# KiCad board mx-unsaver-main.kicad_pcb (continued)
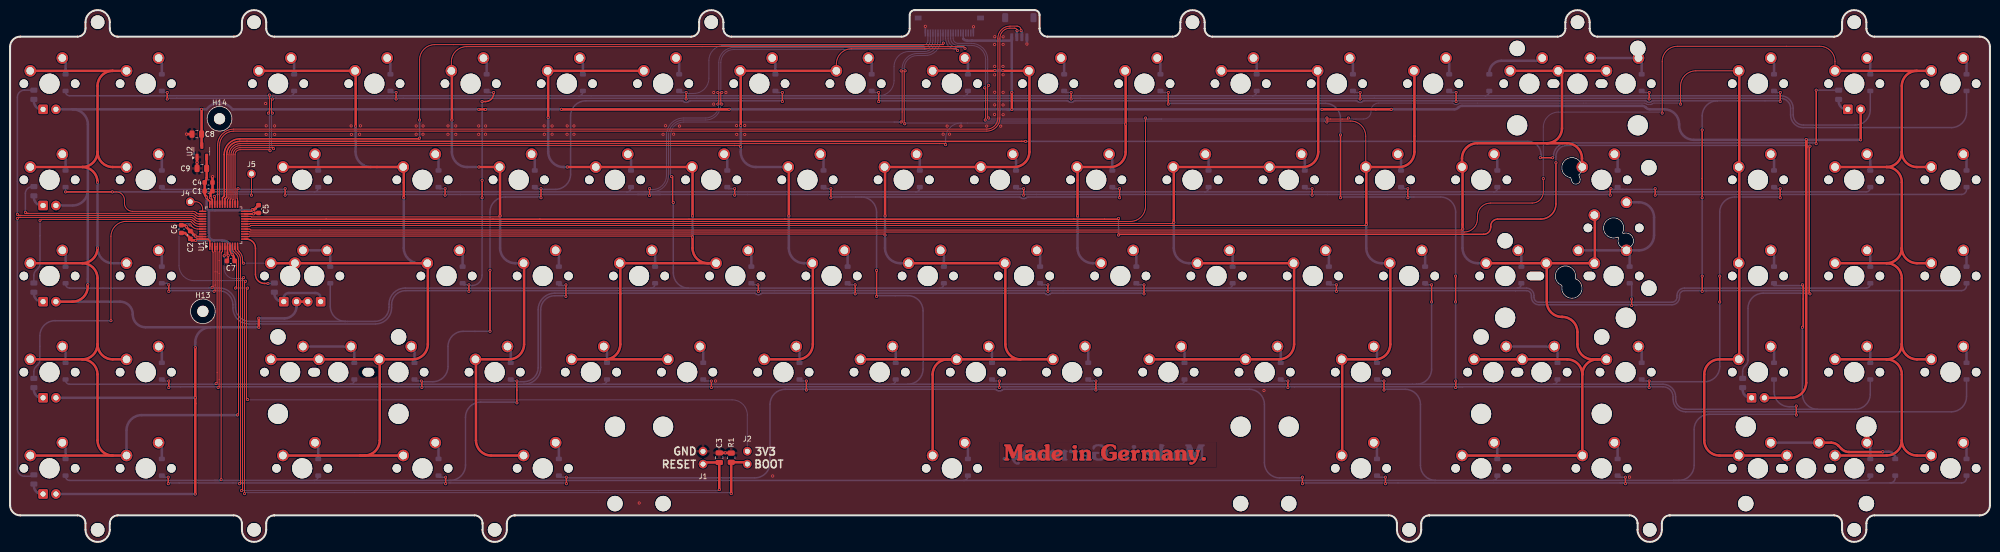
[diagram p0: board, top side]
## Routing (per net, layer and track width the routed paths; a pad name or vN(x,y) marks a point on that pad's centre or on a via; arc(x,y) is an arc through that point) (continued)
ROW2: length 468.5
  Top w0.2: U1.25 45.02,68 44.92,68.1 44.92,69.78 v1(45.12,69.98) ; v1(140.06,89.03) 140.26,89.03 140.26,86.73 v1(140.06,86.73)
  Top w0.3: v1(200.6,68.68) v1(200.6,69.98) ; v1(126.56,68.62) 126.56,69.98 v1(126.57,69.98) ; v1(257.7,68.68) v1(257.7,69.98) ; v1(54.44,69.98) v1(54.44,68.68) ; v1(316.83,69.98) 316.7,69.85 v1(316.7,68.68) ; v1(325.6,69.98) v1(325.6,68.68) ; v1(143.4,68.68) v1(143.4,69.98) ; v1(86.1,69.98) v1(86.1,68.68)
  Bottom w0.2: v1(140.06,89.03) 140.26,89.03 140.26,94.96 arc(141.14,97.08) 143.26,97.96 180.74,97.96 arc(181.73,98.37) 182.14,99.36 J6.3 ; v1(140.06,86.73) 140.26,86.73 140.26,86.58 arc(139.5,84.74) 137.66,83.98 133.31,83.98 arc(130.91,82.98) 129.91,80.58 129.91,72.59 arc(129.09,70.61) 127.11,69.79 126.57,69.79 v1(126.57,69.98)
  Bottom w0.3: 319.2,69.83 318.16,69.83 D104.1 317.86,69.98 ; 319.2,69.83 316.83,69.83 v1(316.83,69.98) ; 319.2,69.83 325.45,69.83 v1(325.6,69.98) ; D3.1 30.02,69.83 54.29,69.83 v1(54.44,69.98) ; v1(325.6,68.68) 325.61,68.68 325.76,68.83 386.21,68.83 arc(386.92,69.12) 387.21,69.83 D127.1 ; 124.23,68.83 86.16,68.83 86.1,68.78 v1(86.1,68.68) 85.95,68.83 54.45,68.83 54.44,68.83 v1(54.44,68.68) ; 124.23,68.83 126.94,68.83 ; 124.23,68.83 128.66,68.83 ; D33.1 142.24,69.98 v1(143.4,69.98) ; 128.66,68.83 126.56,68.83 v1(126.56,68.62) ; 128.66,68.83 143.25,68.83 v1(143.4,68.68) 143.4,68.78 143.46,68.83 200.45,68.83 v1(200.6,68.68) 200.75,68.83 257.55,68.83 v1(257.7,68.68) 257.71,68.68 257.86,68.83 316.55,68.83 v1(316.7,68.68) ; D13.1 85.09,69.98 v1(86.1,69.98) ; D53.1 199.39,69.98 v1(200.6,69.98) ; v1(257.7,69.98) 256.54,69.98 D76.1
ROW3: length 469.7
  Top w0.2: v1(20.24,69.33) 20.24,69.34 21.03,69.34 arc(22.16,68.87) 22.63,67.74 22.63,67.09 arc(23.1,65.96) 24.23,65.49 36.17,65.49 arc(36.56,65.41) 36.88,65.2 36.98,65.1 arc(37.1,65.02) 37.26,64.99 U1.38 ; v1(140.87,89.03) 140.66,89.03 140.66,86.73
  Top w0.3: 20.24,69.34 10.97,69.34 v1(10.97,69.33)
  Bottom w0.2: v1(140.87,89.03) 140.66,89.03 140.66,94.96 arc(141.42,96.79) 143.26,97.56 180.84,97.56 arc(182.12,98.08) 182.64,99.36 J6.4 ; 125.47,69.38 127.11,69.38 arc(129.37,70.32) 130.31,72.58 130.31,80.58 arc(131.19,82.7) 133.31,83.58 137.66,83.58 arc(139.78,84.45) 140.66,86.58 140.66,86.73 v1(140.86,86.73)
  Bottom w0.3: 179.24,69.33 236.4,69.33 ; 179.24,69.33 122.09,69.33 ; 179.24,69.33 arc(179.81,69.57) 180.04,70.13 D54.1 ; 236.4,69.33 293.6,69.33 ; 236.4,69.33 arc(236.97,69.57) 237.2,70.13 237.2,70.28 D77.1 ; v1(10.97,69.33) D4.1 ; 293.6,69.33 367.36,69.33 arc(367.93,69.57) 368.16,70.13 D128.1 ; 293.6,69.33 arc(294.17,69.57) 294.4,70.13 294.4,70.28 D105.1 ; D34.1 122.89,70.13 arc(122.66,69.57) 122.09,69.33 ; 60.18,69.33 122.09,69.33 ; 60.18,69.33 v1(20.24,69.33) ; 60.18,69.33 arc(60.75,69.57) 60.98,70.13 D14.1
ROW4: length 498.6
  Top w0.2: 176.55,83.18 176.55,93.31 v1(176.35,93.31) ; v1(39.97,50.43) 40.17,50.63 40.17,57.4 40.02,57.55 U1.2 40.02,57.8
  Top w0.3: v1(130.91,72.36) 131.12,72.36 131.12,67.24 v1(131.26,67.24)
  Bottom w0.2: 174.96,83.18 v1(176.35,83.18) ; 174.96,83.18 133.31,83.18 arc(131.47,82.41) 130.71,80.58 130.71,72.36 v1(130.91,72.36) ; 174.96,83.18 176.55,83.18 ; J6.6 183.64,99.36 arc(182.88,97.52) 181.04,96.76 179.55,96.76 arc(177.43,95.88) 176.55,93.76 176.55,93.31 v1(176.35,93.31)
  Bottom w0.3: D79.1 241.96,51.08 arc(241.72,50.52) 241.16,50.28 ; D112.1 299.11,51.08 arc(298.87,50.52) 298.31,50.28 ; 39.34,50.28 11.77,50.28 arc(11.21,50.52) 10.97,51.08 D5.1 ; 39.34,50.28 41.4,50.28 arc(43.66,49.34) 44.6,47.08 44.6,46.48 arc(45.42,44.5) 47.4,43.68 66.36,43.68 ; 39.34,50.28 39.82,50.28 v1(39.97,50.43) ; 298.31,50.28 300.1,50.28 arc(301.16,49.84) 301.6,48.78 301.6,48.48 arc(301.89,47.77) 302.6,47.48 328.9,47.48 arc(329.61,47.77) 329.9,48.48 329.9,48.78 arc(330.34,49.84) 331.4,50.28 367.36,50.28 arc(367.93,50.52) 368.16,51.08 D129.1 ; 298.31,50.28 184.01,50.28 ; 66.36,43.68 72.2,43.68 arc(74.18,44.5) 75,46.48 75,47.08 arc(75.94,49.34) 78.2,50.28 126.86,50.28 ; 66.36,43.68 arc(64.24,44.55) 63.36,46.68 D15.1 ; 184.01,50.28 134.26,50.28 ; 184.01,50.28 arc(184.57,50.52) 184.81,51.08 D55.1 ; D35.1 127.66,51.08 arc(127.42,50.52) 126.86,50.28 ; 126.86,50.28 134.26,50.28 ; 134.26,50.28 arc(132.14,51.16) 131.26,53.28 v1(131.26,67.24)
ROW5: length 673.3
  Top w0.2: 40.52,57.74 U1.3 40.52,57.62 40.57,57.57 40.57,49.83 v1(40.37,49.63)
  Top w0.3: v1(171.91,87.23) 171.9,87.23 v1(171.9,89.03) ; v1(95.7,89.03) 95.7,88.83 arc(95.23,87.7) 94.1,87.23 v1(93.4,87.23) ; v1(205.4,49.63) v1(205.4,50.93) ; v1(334.89,81.6) v1(334.89,68.18) ; v1(93.42,68.18) v1(93.42,71.61) ; v1(350.34,87.23) 350.34,89.01 v1(350.36,89.03) ; v1(31.4,50.93) v1(31.4,49.63) ; v1(320.94,46.83) 320.93,46.83 v1(320.93,48.13) ; v1(148,50.93) 148.1,50.83 v1(148.1,49.63) ; v1(90.8,49.63) v1(90.8,50.93) ; v1(262.5,49.63) v1(262.5,50.93) ; v1(286.19,87.23) v1(286.19,89.03) ; v1(334.9,49.63) v1(334.9,52.66)
  Bottom w0.3: v1(320.93,48.13) 320.94,48.13 320.94,51.23 D106.1 ; v1(350.34,87.23) 350.19,87.38 337.89,87.38 ; v1(205.4,50.93) 204.16,50.93 D56.1 ; 337.89,87.38 325.18,87.38 arc(324.98,87.34) 324.82,87.23 324.82,87.23 arc(324.65,87.12) 324.46,87.08 324.34,87.08 arc(324.15,87.12) 323.98,87.23 323.98,87.23 arc(323.81,87.34) 323.62,87.38 285.41,87.38 ; 337.89,87.38 arc(335.77,86.5) 334.89,84.38 v1(334.89,81.6) ; 335.79,49.78 386.21,49.78 arc(386.92,50.07) 387.21,50.78 D130.1 ; 335.79,49.78 335.05,49.78 v1(334.9,49.63) ; 335.79,49.78 331.4,49.78 arc(330.69,49.49) 330.4,48.78 330.4,48.48 arc(329.96,47.41) 328.9,46.98 321.93,46.98 ; v1(334.9,52.66) 334.89,52.66 v1(334.89,68.18) ; 285.41,87.38 267.98,87.38 arc(267.78,87.34) 267.62,87.23 267.62,87.23 arc(267.45,87.12) 267.26,87.08 267.14,87.08 arc(266.95,87.12) 266.78,87.23 266.78,87.23 arc(266.61,87.34) 266.42,87.38 210.78,87.38 arc(210.59,87.34) 210.43,87.23 210.42,87.23 arc(210.26,87.12) 210.07,87.08 209.94,87.08 arc(209.75,87.12) 209.58,87.23 209.58,87.23 arc(209.42,87.34) 209.23,87.38 171.91,87.38 v1(171.91,87.23) ; 285.41,87.38 286.04,87.38 v1(286.19,87.23) ; 321.93,46.98 302.6,46.98 arc(301.54,47.41) 301.1,48.48 301.1,48.78 arc(300.81,49.48) 300.1,49.78 297.95,49.78 297.95,49.78 262.71,49.78 262.56,49.63 v1(262.5,49.63) 262.35,49.78 205.61,49.78 205.46,49.63 v1(205.4,49.63) 205.25,49.78 148.25,49.78 v1(148.1,49.63) 147.95,49.78 90.81,49.78 90.8,49.78 v1(90.8,49.63) 90.65,49.78 78.3,49.78 arc(76.32,48.96) 75.5,46.98 75.5,46.38 arc(74.56,44.11) 72.3,43.18 47.3,43.18 arc(45.04,44.11) 44.1,46.38 44.1,46.98 arc(43.28,48.96) 41.3,49.78 31.51,49.78 31.4,49.68 v1(31.4,49.63) ; 321.93,46.98 320.94,46.98 v1(320.94,46.83) ; 348.81,89.03 D120.1 349.41,89.03 v1(350.36,89.03) ; D80.1 261.31,50.93 v1(262.5,50.93) ; D36.1 147.01,50.93 v1(148,50.93) ; v1(90.8,50.93) 90.8,50.79 ; v1(90.8,50.93) 90.95,50.79 91.41,50.79 arc(92.82,51.37) 93.41,52.79 93.41,68.18 v1(93.42,68.18) ; v1(90.8,50.93) 89.86,50.93 D16.1 ; v1(286.19,89.03) 285.12,89.03 D93.1 ; D46.1 170.52,89.03 v1(171.9,89.03) ; D6.1 31.1,51.23 v1(31.4,50.93) ; v1(93.4,87.23) 93.42,87.23 v1(93.42,71.61) ; v1(95.7,89.03) 94.32,89.03 D26.1
ROW6: length 721.7
  Top w0.2: U1.5 41.52,57.6 41.37,57.45 41.37,30.78 v1(41.17,30.58)
  Top w0.3: v1(338.37,52.66) 338.37,47.53 ; v1(152.84,89.03) 152.85,89.02 v1(152.85,87.23) ; v1(286.1,30.58) 286.12,30.58 v1(286.12,31.88) ; v1(276.65,68.18) 276.63,68.18 v1(276.63,69.98) ; v1(229.22,86.73) 229.22,89.03 v1(229.24,89.03) ; v1(94.98,41.72) v1(94.98,53.79) ; v1(350.33,69.98) 350.33,68.18 v1(350.34,68.18) ; v1(286.09,52.66) 286.09,47.53 v1(286.08,47.53) ; v1(195.8,30.58) v1(195.8,31.88) ; v1(31.4,31.88) v1(31.4,30.58) ; v1(105.07,69.98) 105.07,68.18 v1(105.08,68.18) ; v1(81.5,30.58) 81.5,31.78 v1(81.4,31.88) ; v1(324.4,30.58) v1(324.4,31.88) ; v1(263.31,68.18) v1(263.31,80.63) ; v1(252.9,30.58) v1(252.9,31.88) ; v1(138.8,30.58) v1(138.8,31.88)
  Bottom w0.3: v1(195.8,31.88) 194.63,31.88 D57.1 ; D121.1 349.11,69.98 v1(350.33,69.98) ; D37.1 137.48,31.88 v1(138.8,31.88) ; D81.1 251.78,31.88 v1(252.9,31.88) ; 286.1,47.53 286.1,31.88 v1(286.12,31.88) ; 287.47,30.73 253.05,30.73 v1(252.9,30.58) 252.75,30.73 195.95,30.73 v1(195.8,30.58) 195.65,30.73 138.86,30.73 138.8,30.68 v1(138.8,30.58) 138.65,30.73 81.65,30.73 v1(81.5,30.58) 81.35,30.73 31.46,30.73 31.4,30.68 v1(31.4,30.58) ; 287.47,30.73 286.1,30.73 ; 287.47,30.73 324.25,30.73 v1(324.4,30.58) 324.55,30.73 327.14,30.73 arc(328.55,30.15) 329.14,28.73 329.14,28.28 arc(329.87,26.51) 331.64,25.78 384.21,25.78 arc(386.33,26.65) 387.21,28.78 D131.1 ; 277.8,68.33 263.31,68.33 v1(263.31,68.18) ; 277.8,68.33 283.1,68.33 arc(285.22,67.45) 286.1,65.33 286.1,52.66 v1(286.09,52.66) ; 277.8,68.33 276.65,68.33 v1(276.65,68.18) ; v1(94.98,41.72) 89.67,41.72 arc(87.55,40.84) 86.67,38.72 86.67,34.74 arc(85.79,32.61) 83.67,31.74 81.4,31.74 v1(81.4,31.88) 80.33,31.88 D17.1 ; D27.1 103.84,69.98 v1(105.07,69.98) 105.07,69.84 107.93,69.84 arc(110.05,70.71) 110.93,72.84 110.93,84.38 arc(111.81,86.5) 113.93,87.38 132.98,87.38 arc(133.17,87.34) 133.34,87.23 133.34,87.23 arc(133.5,87.12) 133.7,87.08 133.9,87.08 arc(134.09,87.12) 134.26,87.23 134.26,87.23 arc(134.43,87.34) 134.62,87.38 152.7,87.38 v1(152.85,87.23) ; v1(263.31,80.63) 263.31,83.88 arc(262.43,86) 260.31,86.88 229.22,86.88 v1(229.22,86.73) ; v1(276.63,69.98) 275.29,69.98 D94.1 ; v1(31.4,31.88) 30.33,31.88 D7.1 ; v1(94.98,53.79) 94.98,65.33 arc(95.86,67.45) 97.98,68.33 104.93,68.33 v1(105.08,68.18) 105.08,68.33 ; D107.1 323.22,31.88 v1(324.4,31.88) 324.4,31.74 335.37,31.74 arc(337.49,32.61) 338.37,34.74 338.37,47.53 ; v1(229.24,89.03) 227.67,89.03 D67.1 ; D47.1 151.77,89.03 v1(152.84,89.03) ; v1(350.34,68.18) 350.34,68.33 341.37,68.33 arc(339.25,67.45) 338.37,65.33 v1(338.37,52.66)
  vias: v1(338.37,47.53)
ROW7: length 598.1
  Top w0.2: U1.4 40.97,58.52 40.97,31.58 v1(40.77,31.38)
  Top w0.3: v1(110.01,50.93) 110.01,48.63 v1(110,48.63) ; v1(219.59,68.18) v1(219.59,69.98) ; v1(354.73,50.93) 354.88,50.78 354.88,42.52 v1(354.73,42.52) ; v1(281.34,50.93) v1(281.34,47.53) ; v1(162.45,69.98) v1(162.45,68.18) ; v1(171.49,53.79) v1(171.49,48.63)
  Bottom w0.3: D82.1 232.43,32.03 arc(232.2,31.47) 231.63,31.23 ; D8.1 10.97,32.03 arc(11.21,31.47) 11.77,31.23 67.32,31.23 ; D48.1 160.99,69.98 v1(162.45,69.98) ; D108.1 306.25,32.03 arc(306.02,31.47) 305.45,31.23 ; v1(354.73,42.52) 354.73,29.28 arc(355.61,27.15) 357.73,26.28 ; 117.33,31.23 174.48,31.23 ; 117.33,31.23 101.71,31.23 ; 117.33,31.23 arc(117.9,31.47) 118.13,32.03 D38.1 ; 174.48,31.23 177.69,31.23 ; 174.48,31.23 arc(175.05,31.47) 175.28,32.03 D58.1 ; 305.45,31.23 327.14,31.23 arc(328.91,30.5) 329.64,28.73 329.64,28.28 arc(330.23,26.86) 331.64,26.28 357.73,26.28 ; 305.45,31.23 278.34,31.23 ; 349.11,50.93 D122.1 349.11,50.78 354.73,50.78 v1(354.73,50.93) ; v1(281.34,50.93) 280.06,50.93 D95.1 ; 177.69,31.23 231.63,31.23 ; 177.69,31.23 arc(179.81,32.11) 180.69,34.23 180.69,45.78 arc(179.81,47.9) 177.69,48.78 171.49,48.78 v1(171.49,48.63) ; 167.37,68.33 199.77,68.33 arc(199.96,68.29) 200.13,68.18 200.13,68.18 arc(200.29,68.07) 200.48,68.03 200.76,68.03 arc(200.95,68.07) 201.11,68.18 201.11,68.18 arc(201.28,68.29) 201.47,68.33 219.59,68.33 v1(219.59,68.18) ; 167.37,68.33 168.49,68.33 arc(170.61,67.45) 171.49,65.33 v1(171.49,53.79) ; 167.37,68.33 162.45,68.33 v1(162.45,68.18) ; 101.71,31.23 67.32,31.23 ; 101.71,31.23 arc(104.04,32.2) 105.01,34.53 105.01,45.98 arc(105.83,47.95) 107.81,48.78 110,48.78 v1(110,48.63) ; D18.1 68.12,32.03 arc(67.89,31.47) 67.32,31.23 ; v1(110.01,50.93) 110.01,50.79 108.61,50.79 D28.1 ; 231.63,31.23 278.34,31.23 ; D132.1 368.16,29.28 arc(367.28,27.15) 365.16,26.28 357.73,26.28 ; 278.34,31.23 arc(280.46,32.11) 281.34,34.23 v1(281.34,47.53) ; D68.1 218.14,69.98 v1(219.59,69.98)
ROW8: length 664
  Top w0.2: v1(41.77,12.33) 41.77,57.29 42.02,57.54 U1.6
  Top w0.3: v1(224.43,50.93) 224.42,50.92 v1(224.42,49.13) ; v1(100.3,31.88) 100.3,27.55 v1(100.31,27.55) ; v1(353.54,25.13) 353.52,25.13 v1(353.52,26.93) ; v1(167.26,49.13) 167.26,50.92 v1(167.25,50.93) ; v1(271.92,30.08) v1(271.92,31.88)
  Bottom w0.3: v1(100.31,27.55) 100.16,27.7 93.13,27.7 arc(91.01,26.82) 90.13,24.7 90.13,15.18 arc(89.25,13.06) 87.13,12.18 60.18,12.18 ; D123.1 349.11,29.78 arc(349.99,27.65) 352.11,26.78 353.52,26.78 v1(353.52,26.93) ; D69.1 223.21,50.93 v1(224.43,50.93) ; 166.82,49.28 148.93,49.28 arc(148.74,49.24) 148.57,49.13 148.57,49.13 arc(148.4,49.02) 148.21,48.98 148.04,48.98 arc(147.85,49.02) 147.68,49.13 147.68,49.13 arc(147.52,49.24) 147.33,49.28 107.81,49.28 arc(105.48,48.31) 104.51,45.98 104.51,34.54 arc(103.69,32.56) 101.71,31.74 100.3,31.74 v1(100.3,31.88) 99.08,31.88 D29.1 ; 166.82,49.28 204.62,49.28 arc(204.81,49.24) 204.98,49.13 204.98,49.13 arc(205.15,49.02) 205.34,48.98 205.49,48.98 arc(205.68,49.02) 205.84,49.13 205.85,49.13 arc(206.01,49.24) 206.2,49.28 224.27,49.28 v1(224.42,49.13) ; 166.82,49.28 167.11,49.28 v1(167.26,49.13) ; v1(271.92,31.88) 270.53,31.88 D96.1 ; v1(353.54,25.13) 353.54,25.28 336.3,25.28 arc(334.18,24.4) 333.3,22.28 333.3,15.18 arc(332.42,13.06) 330.3,12.18 329.23,12.18 ; v1(271.92,30.08) 271.92,30.23 276.13,30.23 arc(278.25,29.35) 279.13,27.23 279.13,15.18 arc(280.01,13.06) 282.13,12.18 ; 87,12.18 188.77,12.18 ; 188.77,12.18 282.13,12.18 ; 188.77,12.18 arc(189.33,12.42) 189.57,12.98 D59.1 ; 294.4,13.13 D109.1 294.34,12.98 arc(294.11,12.42) 293.54,12.18 ; 60.18,12.18 40.51,12.18 ; 60.18,12.18 arc(60.75,12.42) 60.98,12.98 D19.1 ; D49.1 166.06,50.93 v1(167.25,50.93) ; D133.1 368.16,12.98 arc(367.93,12.42) 367.36,12.18 329.23,12.18 ; 40.51,12.18 41.59,12.18 ; 40.51,12.18 11.77,12.18 arc(11.21,12.42) 10.97,12.98 D9.1 ; 329.23,12.18 293.54,12.18 ; 293.54,12.18 282.13,12.18
ROW9: length 463.4
  Top w0.2: U1.11 44.52,58.05 arc(44.57,57.82) 44.7,57.63 45.08,57.24 arc(45.47,56.66) 45.6,55.97 45.6,11.96 ; 45.6,11.96 45.6,11.53 45.6,11.53 ; 45.6,11.96 45.6,11.73 v1(45.4,11.53)
  Top w0.3: v1(214.9,31.88) v1(214.9,30.08) ; v1(86.2,11.53) v1(86.2,12.83) ; v1(31.3,12.83) v1(31.3,11.53) ; v1(110.1,11.53) v1(110.1,12.83) ; v1(255.78,12.83) 255.78,11.53 v1(255.79,11.53) ; v1(157.6,30.08) v1(157.6,31.88) ; v1(272.2,11.53) v1(272.2,12.83) ; v1(319.7,11.53) v1(319.7,12.83)
  Bottom w0.3: 372.1,11.68 386.21,11.68 arc(386.92,11.97) 387.21,12.68 D134.1 ; 372.1,11.68 319.1,11.68 ; 372.1,11.68 arc(372.81,11.97) 373.1,12.68 D124.1 ; 214,30.23 245.25,30.23 arc(247.37,29.35) 248.25,27.23 248.25,15.69 arc(249.13,13.56) 251.25,12.69 255.78,12.69 v1(255.78,12.83) ; 214,30.23 196.71,30.23 arc(196.52,30.19) 196.35,30.08 196.35,30.08 arc(196.18,29.97) 195.99,29.93 195.61,29.93 arc(195.42,29.97) 195.25,30.08 195.25,30.08 arc(195.08,30.19) 194.89,30.23 156.9,30.23 ; 214,30.23 214.75,30.23 v1(214.9,30.08) ; 156.9,30.23 157.45,30.23 v1(157.6,30.08) ; 156.9,30.23 153.4,30.23 arc(151.28,29.35) 150.4,27.23 150.4,15.68 arc(149.52,13.56) 147.4,12.68 110.25,12.68 v1(110.1,12.83) 108.91,12.83 D30.1 ; D97.1 270.83,12.83 v1(272.2,12.83) ; v1(31.3,11.53) 31.3,11.58 31.41,11.68 46.22,11.68 ; D20.1 85.09,12.83 v1(86.2,12.83) ; 46.22,11.68 86.05,11.68 v1(86.2,11.53) 86.35,11.68 109.95,11.68 v1(110.1,11.53) 110.1,11.68 110.11,11.68 ; 46.22,11.68 45.6,11.68 ; D60.1 213.68,31.88 v1(214.9,31.88) ; v1(31.3,12.83) 30.33,12.83 D10.1 ; 319.1,11.68 272.35,11.68 v1(272.2,11.53) 272.05,11.68 255.79,11.68 v1(255.79,11.53) ; 319.1,11.68 319.55,11.68 v1(319.7,11.53) ; v1(319.7,12.83) 318.46,12.83 D110.1 ; D50.1 156.53,31.88 v1(157.6,31.88)
SWC: length 4.7
  Top w0.2: J4.1 36.71,67.39 arc(37.7,66.97) 38.11,65.99 U1.37 ; U1.37 37.5,65.49 ; U1.37 37.78,65.49
SWD: length 13.9
  Top w0.2: v1(40.42,68.45) 40.52,68.35 40.52,67.87 ; 40.42,68.3 40.52,68.2 40.52,67.87 ; 40.52,67.87 U1.34 ; J5.1 v1(47.77,68.68)
  Bottom w0.2: v1(40.42,68.45) 40.56,68.59 arc(40.88,68.8) 41.26,68.88 47.57,68.88 v1(47.77,68.68)
Net-(D1-A): length 3.9
  Bottom w0.5: D1.2 10.97,95.86 MX1.2
Net-(D2-A): length 3.9
  Bottom w0.5: D2.2 30.02,95.86 MX2.2
Net-(D3-A): length 3.9
  Bottom w0.5: MX3.2 30.02,76.81 D3.2
Net-(D4-A): length 3.9
  Bottom w0.5: D4.2 10.97,76.81 MX4.2
Net-(D5-A): length 3.9
  Bottom w0.5: MX5.2 10.97,57.76 D5.2
Net-(D6-A): length 3.9
  Bottom w0.5: MX6.2 30.02,57.76 D6.2
Net-(D7-A): length 3.9
  Bottom w0.5: D7.2 30.02,38.71 MX7.2
Net-(D8-A): length 3.9
  Bottom w0.5: D8.2 10.97,38.71 MX8.2
Net-(D9-A): length 3.9
  Bottom w0.5: MX9.2 10.97,19.66 D9.2
Net-(D10-A): length 3.9
  Bottom w0.5: D10.2 30.02,19.66 MX10.2
Net-(D11-A): length 3.9
  Bottom w0.5: MX11.2 56.22,95.86 D11.2
Net-(D12-A): length 3.9
  Bottom w0.5: D12.2 75.27,95.86 MX12.2
Net-(D13-A): length 3.9
  Bottom w0.5: D13.2 84.79,76.81 MX13.2
Net-(D14-A): length 3.9
  Bottom w0.5: MX14.2 60.98,76.81 D14.2
Net-(D15-A): length 8.6
  Bottom w0.5: D15.2 63.36,57.76 MX122.2 MX15.2
Net-(D16-A): length 3.9
  Bottom w0.5: D16.2 89.56,57.76 MX16.2
Net-(D17-A): length 3.9
  Bottom w0.5: D17.2 80.03,38.71 MX17.2
Net-(D18-A): length 13.4
  Bottom w0.5: MX18.2 MX121.2 68.12,38.71 D18.2
Net-(D19-A): length 3.9
  Bottom w0.5: MX19.2 60.98,19.66 D19.2
Net-(D20-A): length 3.9
  Bottom w0.5: MX20.2 84.79,19.66 D20.2
Net-(D26-A): length 3.9
  Bottom w0.5: D26.2 94.32,95.86 MX26.2
Net-(D27-A): length 3.9
  Bottom w0.5: D27.2 103.84,76.81 MX27.2
Net-(D28-A): length 3.9
  Bottom w0.5: D28.2 108.61,57.76 MX28.2
Net-(D29-A): length 3.9
  Bottom w0.5: MX29.2 99.08,38.71 D29.2
Net-(D30-A): length 3.9
  Bottom w0.5: D30.2 108.61,19.66 MX30.2
Net-(D31-A): length 3.9
  Bottom w0.5: MX31.2 113.37,95.86 D31.2
Net-(D32-A): length 3.9
  Bottom w0.5: D32.2 132.42,95.86 MX32.2
Net-(D33-A): length 3.9
  Bottom w0.5: MX33.2 141.94,76.81 D33.2
Net-(D34-A): length 3.9
  Bottom w0.5: MX34.2 122.89,76.81 D34.2
Net-(D35-A): length 3.9
  Bottom w0.5: D35.2 127.66,57.76 MX35.2
Net-(D36-A): length 3.9
  Bottom w0.5: D36.2 146.71,57.76 MX36.2
Net-(D37-A): length 3.9
  Bottom w0.5: MX37.2 137.18,38.71 D37.2
Net-(D38-A): length 3.9
  Bottom w0.5: MX38.2 118.13,38.71 D38.2
Net-(D46-A): length 3.9
  Bottom w0.5: D46.2 170.52,95.86 MX46.2
Net-(D47-A): length 3.9
  Bottom w0.5: D47.2 151.47,95.86 MX47.2
Net-(D48-A): length 3.9
  Bottom w0.5: D48.2 160.99,76.81 MX48.2
Net-(D49-A): length 3.9
  Bottom w0.5: D49.2 165.76,57.76 MX49.2
Net-(D50-A): length 3.9
  Bottom w0.5: D50.2 156.23,38.71 MX50.2
Net-(D51-A): length 3.9
  Bottom w0.5: MX51.2 189.57,95.86 D51.2
Net-(D52-A): length 3.9
  Bottom w0.5: D52.2 208.62,95.86 MX52.2
Net-(D53-A): length 3.9
  Bottom w0.5: D53.2 199.09,76.81 MX53.2
Net-(D54-A): length 3.9
  Bottom w0.5: D54.2 180.04,76.81 MX54.2
Net-(D55-A): length 3.9
  Bottom w0.5: D55.2 184.81,57.76 MX55.2
Net-(D56-A): length 3.9
  Bottom w0.5: MX56.2 203.86,57.76 D56.2
Net-(D57-A): length 3.9
  Bottom w0.5: MX57.2 194.33,38.71 D57.2
Net-(D58-A): length 3.9
  Bottom w0.5: D58.2 175.28,38.71 MX58.2
Net-(D59-A): length 3.9
  Bottom w0.5: MX59.2 189.57,19.66 D59.2
Net-(D60-A): length 3.9
  Bottom w0.5: MX60.2 213.38,38.71 D60.2
Net-(D67-A): length 3.9
  Bottom w0.5: D67.2 227.67,95.86 MX67.2
Net-(D68-A): length 3.9
  Bottom w0.5: D68.2 218.14,76.81 MX68.2
Net-(D69-A): length 3.9
  Bottom w0.5: MX69.2 222.91,57.76 D69.2
Net-(D71-K): length 3.1
  Bottom w0.5: D71.1 6.3,66.65 arc(5.17,67.11) 4.7,68.25 R2.1
Net-(D72-K): length 3
  Bottom w0.5: D72.1 6.3,47.6 arc(5.17,48.06) 4.7,49.2 R3.1
Net-(D73-K): length 3.2
  Bottom w0.5: R4.1 4.7,30.15 arc(5.17,29.01) 6.3,28.55 D73.1
Net-(D74-A): length 3.9
  Bottom w0.5: MX71.2 246.72,95.86 D74.2
Net-(D75-A): length 3.9
  Bottom w0.5: MX72.2 265.77,95.86 D75.2
Net-(D76-A): length 3.9
  Bottom w0.5: D76.2 256.24,76.81 MX73.2
Net-(D77-A): length 3.9
  Bottom w0.5: D77.2 237.19,76.81 MX74.2
Net-(D78-K): length 12.9
  Bottom w0.5: R8.1 52.3,49.2 arc(52.77,48.06) 53.9,47.6 D78.1 54.15,48.31 arc(54.45,49.01) 55.15,49.31 60.46,49.31 arc(61.16,49.01) 61.46,48.31 D86.1
Net-(D79-A): length 3.9
  Bottom w0.5: D79.2 241.96,57.76 MX75.2
Net-(D80-A): length 3.9
  Bottom w0.5: D80.2 261.01,57.76 MX76.2
Net-(D81-A): length 3.9
  Bottom w0.5: D81.2 251.48,38.71 MX77.2
Net-(D82-A): length 3.9
  Bottom w0.5: D82.2 232.43,38.71 MX78.2
Net-(D87-K): length 3.1
  Bottom w0.5: D87.1 6.3,9.5 arc(5.17,9.96) 4.7,11.1 R6.1
Net-(D93-A): length 3.9
  Bottom w0.5: D93.2 284.82,95.86 MX85.2
Net-(D94-A): length 3.9
  Bottom w0.5: MX86.2 275.29,76.81 D94.2
Net-(D95-A): length 3.9
  Bottom w0.5: MX87.2 280.06,57.76 D95.2
Net-(D96-A): length 3.9
  Bottom w0.5: D96.2 270.53,38.71 MX88.2
Net-(D97-A): length 3.9
  Bottom w0.5: D97.2 270.53,19.66 MX89.2
Net-(D102-A): length 12.7
  Bottom w0.5: D102.2 292.76,92.92 arc(293.46,94.61) 295.16,95.32 303.23,95.32 MX91.2
Net-(D103-A): length 12.8
  Bottom w0.5: MX123.2 322.3,95.86 ; D103.2 322.92,95.86
Net-(D104-A): length 3.9
  Bottom w0.5: D104.2 318.16,76.81 MX93.2
Net-(D105-A): length 3.9
  Bottom w0.5: D105.2 294.34,76.81 MX94.2
Net-(D106-A): length 30.6
  Bottom w0.5: D106.2 320.54,57.76 ; MX124.2 322.37,57.76 arc(324.49,58.63) 325.37,60.76 325.37,64.28 arc(324.49,66.4) 322.37,67.28 319.9,67.28
Net-(D107-A): length 3.9
  Bottom w0.5: MX96.2 322.92,38.71 D107.2
Net-(D108-A): length 13.4
  Bottom w0.5: MX97.2 MX126.2 306.25,38.71 D108.2
Net-(D109-A): length 3.9
  Bottom w0.5: MX98.2 294.34,19.66 D109.2
Net-(D110-A): length 3.9
  Bottom w0.5: MX99.2 318.16,19.66 D110.2
Net-(D112-A): length 3.9
  Bottom w0.5: D112.2 299.11,57.76 MX100.2
Net-(D120-A): length 3.9
  Bottom w0.5: MX106.2 349.11,95.86 D120.2
Net-(D121-A): length 3.9
  Bottom w0.5: D121.2 349.11,76.81 MX107.2
Net-(D122-A): length 3.9
  Bottom w0.5: MX108.2 349.11,57.76 D122.2
Net-(D123-A): length 3.9
  Bottom w0.5: MX109.2 349.11,38.71 D123.2
Net-(D124-A): length 26.1
  Top w0.5: v1(370.64,17.87) 370.64,17.82 363.93,17.82 arc(363.16,17.97) 362.51,18.4 361.85,19.07 arc(361.2,19.5) 360.43,19.66 MX127.2
  Bottom w0.5: MX110.2 MX127.2 ; D124.2 373.1,16.57 arc(372.72,17.48) 371.8,17.87 v1(370.64,17.87)
Net-(D125-A): length 3.9
  Bottom w0.5: MX111.2 368.16,95.86 D125.2
Net-(D126-A): length 3.9
  Bottom w0.5: D126.2 387.21,95.86 MX112.2
Net-(D127-A): length 3.9
  Bottom w0.5: D127.2 387.21,76.81 MX113.2
Net-(D128-A): length 3.9
  Bottom w0.5: D128.2 368.16,76.81 MX114.2
Net-(D129-A): length 3.9
  Bottom w0.5: D129.2 368.16,57.76 MX115.2
Net-(D130-A): length 3.9
  Bottom w0.5: MX116.2 387.21,57.76 D130.2
Net-(D131-A): length 3.9
  Bottom w0.5: MX117.2 387.21,38.71 D131.2
Net-(D132-A): length 3.9
  Bottom w0.5: MX118.2 368.16,38.71 D132.2
Net-(D133-A): length 3.9
  Bottom w0.5: D133.2 368.16,19.66 MX119.2
Net-(D134-A): length 3.5
  Bottom w0.5: MX120.2 387.21,19.02 D134.2
Net-(D135-K): length 3.1
  Bottom w0.5: D135.1 344.5,28.55 arc(343.37,29.01) 342.9,30.15 R18.1
Net-(D136-K): length 3.1
  Bottom w0.5: D136.1 363.5,85.7 arc(362.37,86.16) 361.9,87.3 R17.1
Net-(D137-K): length 3.1
  Bottom w0.5: R19.1 4.7,87.3 arc(5.17,86.16) 6.3,85.7 D137.1

## Copper pours and planes (outline as drawn; the poured copper is in the pictures)
GND on Top, Bottom: -7.2,110.78 397.8,110.78 397.8,-4.22 -7.2,-4.22
GND on Top, Bottom: 195.8,19.78 238.8,19.78 238.8,14.78 195.8,14.78

## Text on the board
B.Silkscreen: SWC | SWD
F.Silkscreen: RESET | GND | BOOT | 3V3
